# KiCad board RP2040_motor.kicad_pcb (continued)
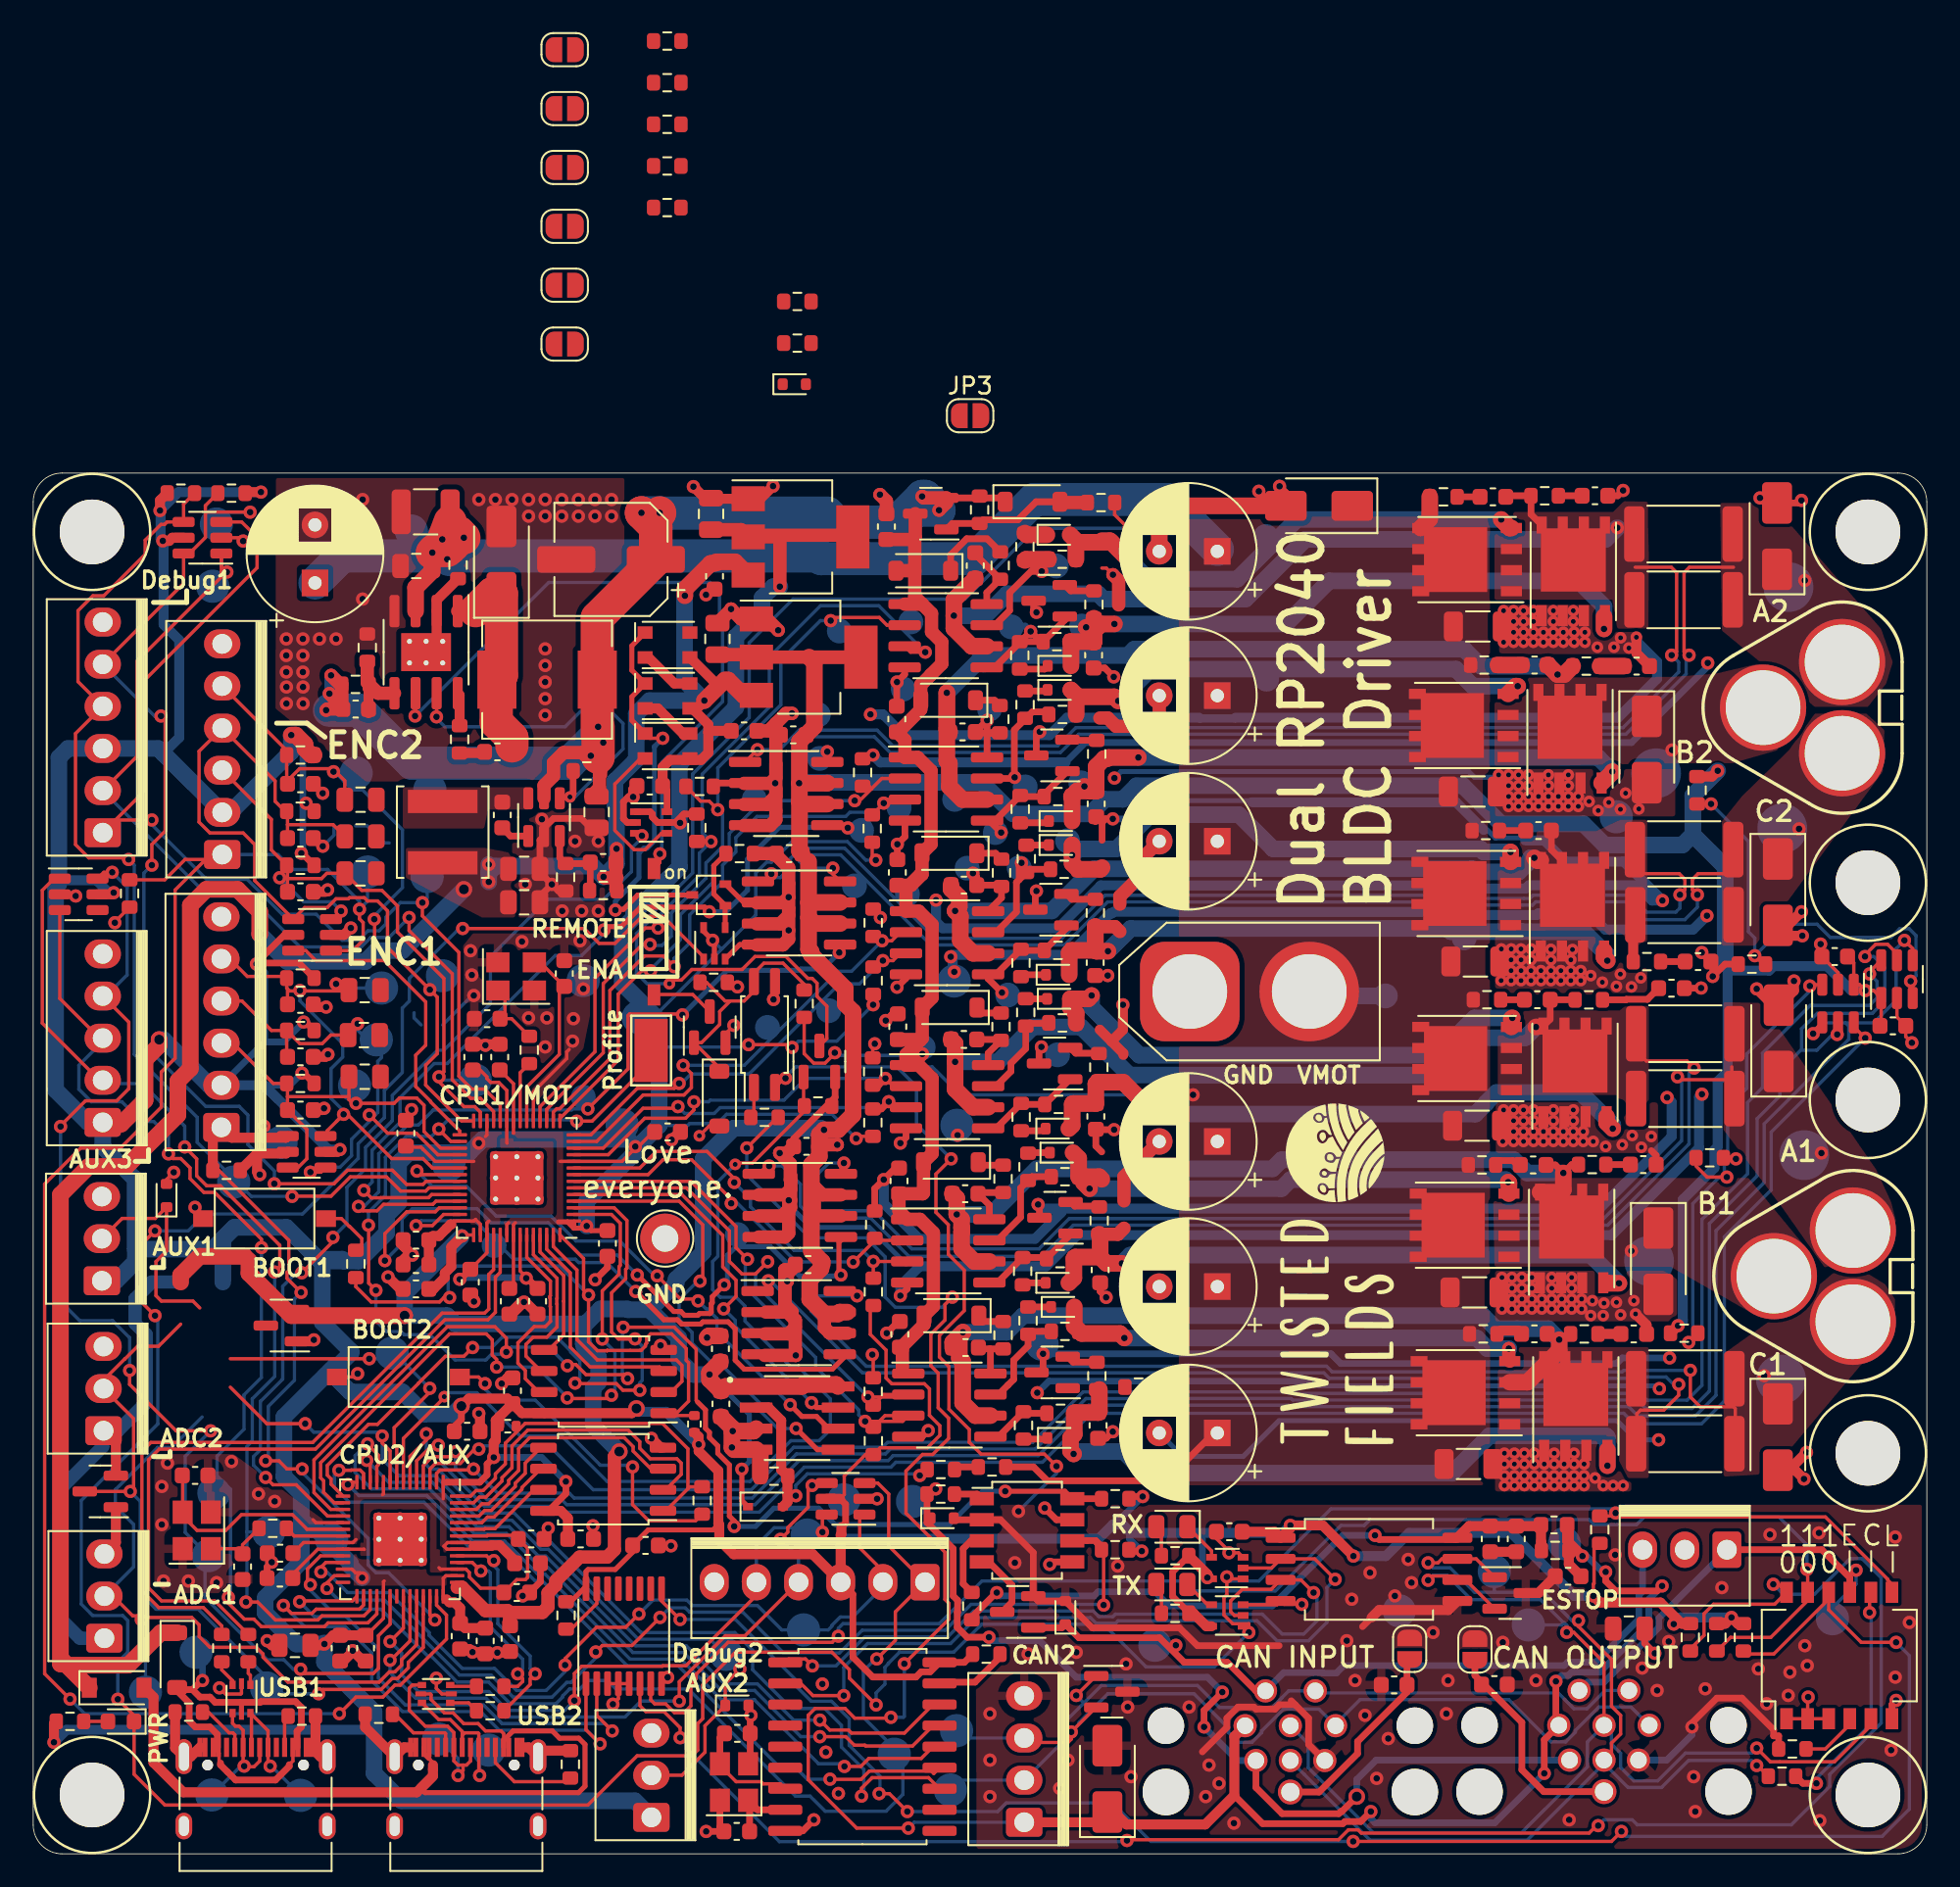
[diagram p0: board, top side]
## Placement (name value [footprint] x y rotation side) (continued)
R97  21.5k  [R_0603_1608Metric]  20.13 72.72 270 top
R98  10Ω  [R_0603_1608Metric]  25.7 67.2 270 top
R99  10.2R  [R_0603_1608Metric]  91.7 18.3 0 top
R100  120R  [R_0603_1608Metric]  44.07 44.41 180 top
R101  3mΩ  [R_2512_6332Metric]  99.54 49.45 0 top
R102  20k  [R_0603_1608Metric]  46.46 51.26 90 top
R103  100k  [R_0603_1608Metric]  41.01 52.55 0 top
R104  10k  [R_0603_1608Metric]  64.34 81.47 0 top
R105  3mΩ  [R_2512_6332Metric]  99.44 79.57 0 top
R106  100k  [R_0603_1608Metric]  33.36 65.29 180 top
R107  10k  [R_0603_1608Metric]  47.29 45.09 0 top
R108  1k  [R_0603_1608Metric]  38.21 109.3 0 top
R109  3mΩ  [R_2512_6332Metric]  99.47 60.55 0 top
R110  1k  [R_0603_1608Metric]  38.21 106.79 0 top
R111  1k  [R_0603_1608Metric]  38.21 104.28 0 top
R112  1k  [R_0603_1608Metric]  38.21 101.77 0 top
R113  3mΩ  [R_2512_6332Metric]  99.44 75.61 0 top
R114  3mΩ  [R_2512_6332Metric]  99.5 56.62 0 top
R115  3mΩ  [R_2512_6332Metric]  99.54 24.73 0 top
R116  3mΩ  [R_2512_6332Metric]  99.54 45.54 0 top
R117  1k  [R_0603_1608Metric]  38.21 99.26 0 top
R118  50k 0.1%  [R_0603_1608Metric]  46.04 93.59 0 top
R119  10k  [R_0603_1608Metric]  39.99 61.87 270 top
R120  10k  [R_0603_1608Metric]  40.16 64.36 180 top
R121  10k  [R_0603_1608Metric]  49.98 65.2 270 top
R122  10k  [R_0603_1608Metric]  50.55 61.82 90 top
R123  10k  [R_0603_1608Metric]  50.62 56.14 270 top
R124  10k  [R_0603_1608Metric]  50.62 52.65 90 top
R125  10k  [R_0603_1608Metric]  50.71 37.94 270 top
R126  10k  [R_0603_1608Metric]  50.63 33.89 90 top
R127  10k  [R_0603_1608Metric]  50.62 27.88 270 top
R128  10k  [R_0603_1608Metric]  50.63 24.9 90 top
R129  10k  [R_0603_1608Metric]  50.59 47.17 270 top
R130  10k  [R_0603_1608Metric]  50.6 44.09 90 top
R131  50k 0.1%  [R_0603_1608Metric]  46.04 91.09 0 top
R137  10k  [R_0603_1608Metric]  32.1 14.38 90 top
R138  10k  [R_0603_1608Metric]  42.57 60.31 0 top
R139  100k  [R_0603_1608Metric]  57.02 81.03 90 top
R140  1k  [R_0603_1608Metric]  66.6 28.15 0 top
SW1  SW_MEC_5G  [SW_TS_1101_C_W]  13.94 38.3 0 top
SW2  SW_MEC_5G  [SW_TS_1101_C_W]  22.01 28.75 0 top
SW3  CONFIG SWITCH  [SW_DIP_SPSTx06_Slide_KingTek_DSHP06TS_W7.62mm_P1.27mm]  108.82 11.96 90 top
SW4  SW_DIP_x01  [SW-SMD_DSHP01TSGER]  37.41 55.6 180 top
TH1  Thermistor 10k  [R_0603_1608Metric]  100.26 64.12 270 top
TH2  Thermistor 10k  [R_0603_1608Metric]  99.48 31.39 0 top
TP2  TestPoint  [TestPoint_Loop_D2.60mm_Drill1.6mm_Beaded]  38.07 37.1 270 top
TP4  TestPoint  [TestPoint_Pad_D3.0mm]  106.71 42.12 180 bottom
TP5  TestPoint  [TestPoint_Pad_D3.0mm]  97.36 35.75 180 bottom
TP6  TestPoint  [TestPoint_Pad_D3.0mm]  105.31 28.6 180 bottom
TP7  TestPoint  [TestPoint_Pad_D3.0mm]  97.79 65.15 180 bottom
TP8  TestPoint  [TestPoint_Pad_D3.0mm]  105.76 76.38 180 bottom
TP9  TestPoint  [TestPoint_Pad_D3.0mm]  105.39 61.83 180 bottom
TP10  TestPoint  [TestPoint_Pad_D2.0mm]  23.74 58.93 180 bottom
TP11  TestPoint  [TestPoint_Pad_D2.0mm]  10.81 76.43 180 bottom
TP12  TestPoint  [TestPoint_Pad_D1.5mm]  27.77 36.68 180 bottom
TP13  TestPoint  [TestPoint_Pad_D2.0mm]  12.08 40.5 180 bottom
TP14  TestPoint  [TestPoint_Pad_D2.0mm]  11.04 80.18 180 bottom
TP15  TestPoint  [TestPoint_Pad_D2.0mm]  55.66 43.93 180 bottom
TP16  TestPoint  [TestPoint_Pad_D2.0mm]  14.94 42.9 180 bottom
TP17  TestPoint  [TestPoint_Pad_D2.0mm]  35.49 43.95 180 bottom
TP18  TestPoint  [TestPoint_Pad_D2.0mm]  19.36 46.32 180 bottom
TP19  TestPoint  [TestPoint_Pad_D2.0mm]  20.67 49.08 180 bottom
TP20  TestPoint  [TestPoint_Pad_D2.0mm]  20.99 52.2 180 bottom
TP21  TestPoint  [TestPoint_Pad_D2.0mm]  55.49 52.63 180 bottom
TP22  TestPoint  [TestPoint_Keystone_5019_Minature]  37.24 48.44 90 top
TP23  TestPoint  [TestPoint_Pad_D2.0mm]  19.46 65.17 180 bottom
TP24  TestPoint  [TestPoint_Pad_D2.0mm]  24.66 52.94 180 bottom
TP25  TestPoint  [TestPoint_Pad_D2.0mm]  26.64 46.65 180 bottom
TP26  TestPoint  [TestPoint_Pad_D2.0mm]  36.46 50.42 180 bottom
TP27  TestPoint  [TestPoint_Pad_D2.0mm]  20.15 59.2 180 bottom
TP28  TestPoint  [TestPoint_Pad_D2.0mm]  51.88 6.01 180 bottom
TP29  TestPoint  [TestPoint_Pad_D2.0mm]  46.42 13.5 180 bottom
TP30  TestPoint  [TestPoint_Pad_D2.0mm]  25.04 41.55 180 bottom
TP31  TestPoint  [TestPoint_Pad_D2.0mm]  48.85 21.34 180 bottom
TP32  TestPoint  [TestPoint_Pad_D2.0mm]  46.64 19.22 180 bottom
TP33  TestPoint  [TestPoint_Pad_D2.0mm]  33.14 52.65 180 bottom
TP34  TestPoint  [TestPoint_Pad_D2.0mm]  17.99 18.93 180 bottom
TP35  TestPoint  [TestPoint_Pad_D2.0mm]  14.19 19.4 180 bottom
TP36  TestPoint  [TestPoint_Pad_D2.0mm]  10.89 21.75 180 bottom
TP37  TestPoint  [TestPoint_Pad_D2.0mm]  10.56 17.98 180 bottom
TP38  TestPoint  [TestPoint_Pad_D2.0mm]  95.39 62.53 180 bottom
TP39  TestPoint  [TestPoint_Pad_D2.0mm]  24.43 6.92 180 bottom
TP40  TestPoint  [TestPoint_Pad_D2.0mm]  9.81 12.15 180 bottom
TP41  TestPoint  [TestPoint_Pad_D2.0mm]  16.11 3.53 180 bottom
TP42  TestPoint  [TestPoint_Pad_D2.0mm]  10.76 3.55 180 bottom
TP43  TestPoint  [TestPoint_Pad_D2.0mm]  27.44 6.26 180 bottom
TP44  TestPoint  [TestPoint_Pad_D2.0mm]  92.26 18.7 180 bottom
TP45  TestPoint  [TestPoint_Pad_D2.0mm]  41.75 12.03 180 bottom
TP46  TestPoint  [TestPoint_Pad_D2.0mm]  21.63 30.19 180 bottom
TP47  TestPoint  [TestPoint_Pad_D2.0mm]  6.76 9.75 180 bottom
TP48  TestPoint  [TestPoint_Pad_D2.0mm]  14.06 10 180 bottom
TP49  TestPoint  [TestPoint_Pad_D2.0mm]  22.79 79.75 180 bottom
TP50  TestPoint  [TestPoint_Pad_D2.0mm]  55.26 3.85 180 bottom
TP51  TestPoint  [TestPoint_Pad_D2.0mm]  60.79 30.73 180 bottom
TP52  TestPoint  [TestPoint_Pad_D2.0mm]  23.9 64.16 180 bottom
TP53  TestPoint  [TestPoint_Pad_D2.0mm]  55.64 7.43 180 bottom
TP54  TestPoint  [TestPoint_Pad_D2.0mm]  82.31 14.65 180 bottom
TP55  TestPoint  [TestPoint_Pad_D1.5mm]  42.43 37.34 180 bottom
TP56  TestPoint  [TestPoint_Pad_D2.0mm]  90.09 13.8 180 bottom
TP57  TestPoint  [TestPoint_Pad_D1.5mm]  49.49 58.36 180 bottom
TP58  TestPoint  [TestPoint_Pad_D1.5mm]  52.68 57.88 180 bottom
TP59  TestPoint  [TestPoint_Pad_D2.0mm]  52.98 21.25 180 bottom
TP60  TestPoint  [TestPoint_Pad_D2.0mm]  88.04 17.03 180 bottom
TP61  TestPoint  [TestPoint_Pad_D2.0mm]  67.59 12.58 180 bottom
TP62  TestPoint  [TestPoint_Pad_D1.5mm]  56.27 59.43 180 bottom
TP63  TestPoint  [TestPoint_Pad_D2.0mm]  108.41 14.18 180 bottom
TP64  TestPoint  [TestPoint_Pad_D1.5mm]  62.32 61.08 180 bottom
TP65  TestPoint  [TestPoint_Pad_D1.5mm]  59.41 59.45 180 bottom
TP66  TestPoint  [TestPoint_Pad_D1.5mm]  86.22 55.23 180 bottom
TP67  TestPoint  [TestPoint_Pad_D1.5mm]  58.73 51.78 180 bottom
TP68  TestPoint  [TestPoint_Pad_D1.5mm]  53.63 48.62 180 bottom
TP69  TestPoint  [TestPoint_Pad_D1.5mm]  33.15 45.62 180 bottom
TP70  TestPoint  [TestPoint_Pad_D1.5mm]  55.52 63.58 180 bottom
TP71  TestPoint  [TestPoint_Pad_D1.5mm]  61.73 48.18 180 bottom
TP72  TestPoint  [TestPoint_Pad_D1.5mm]  81.47 51.73 180 bottom
TP73  TestPoint  [TestPoint_Pad_D1.5mm]  74.28 79.43 180 bottom
TP74  TestPoint  [TestPoint_Pad_D1.5mm]  74.32 70.83 180 bottom
TP75  TestPoint  [TestPoint_Pad_D1.5mm]  59.77 64.33 180 bottom
TP76  TestPoint  [TestPoint_Pad_D1.5mm]  57.98 61.58 180 bottom
TP77  TestPoint  [TestPoint_Pad_D1.5mm]  63.13 64.58 180 bottom
TP78  TestPoint  [TestPoint_Pad_D1.5mm]  57.63 69.03 180 bottom
TP79  TestPoint  [TestPoint_Pad_D1.5mm]  57.27 71.98 180 bottom
TP80  TestPoint  [TestPoint_Pad_D1.5mm]  61.65 77.65 180 bottom
TP81  TestPoint  [TestPoint_Pad_D1.5mm]  63.18 74.03 180 bottom
TP82  TestPoint  [TestPoint_Pad_D1.5mm]  47.3 68.68 180 bottom
TP83  TestPoint  [TestPoint_Pad_D1.5mm]  58.93 73.98 180 bottom
TP84  TestPoint  [TestPoint_Pad_D1.5mm]  47.38 66.05 180 bottom
TP85  TestPoint  [TestPoint_Pad_D1.5mm]  48.57 73.73 180 bottom
TP86  TestPoint  [TestPoint_Pad_D1.5mm]  52.88 74.28 180 bottom
TP87  TestPoint  [TestPoint_Pad_D1.5mm]  49.91 61.71 180 bottom
TP90  TestPoint  [TestPoint_Pad_D1.5mm]  47.93 50.84 180 bottom
TP91  TestPoint  [TestPoint_Pad_D1.5mm]  44.24 49.83 180 bottom
TP92  TestPoint  [TestPoint_Pad_D1.5mm]  52.18 63.07 180 bottom
TP93  TestPoint  [TestPoint_Pad_D1.5mm]  43.46 63.6 180 bottom
TP94  TestPoint  [TestPoint_Pad_D1.5mm]  52.43 70.23 180 bottom
U1  EG3113  [SOIC-8_3.9x4.9mm_P1.27mm]  55.21 27.06 0 top
U2  EG3113  [SOIC-8_3.9x4.9mm_P1.27mm]  55.06 54.93 0 top
U3  USBLC6-4SC6  [SOT-23-6]  48.95 21.41 180 top
U4  EG3113  [SOIC-8_3.9x4.9mm_P1.27mm]  55.14 36.35 0 top
U5  EG3113  [SOIC-8_3.9x4.9mm_P1.27mm]  55 64.2 0 top
U6  SN74LVC1G07QDCKTQ1  [SOT-353_SC-70-5]  71.95 14.37 180 top
U7  EG3113  [SOIC-8_3.9x4.9mm_P1.27mm]  55.07 45.65 0 top
U8  EG3113  [SOIC-8_3.9x4.9mm_P1.27mm]  54.99 73.44 0 top
U9  ADC081S021CISD/NOPB  [SOT-23-6]  112.3 52.74 90 top
U10  TXS0101DCKR  [SOT-363_SC-70-6]  37.24 62.18 0 top
U11  TLV1117LV33DCYR  [SOT-223-3_TabPin2]  46.73 72.15 0 top
U12  W25Q128JVSIQ  [SOIC-8_5.23x5.23mm_P1.27mm]  34.39 28.48 180 top
U13  W25Q128JVSIQ  [SOIC-8_5.23x5.23mm_P1.27mm]  34.35 22.58 180 top
U14  INA240A1D  [SOIC-8_3.9x4.9mm_P1.27mm]  46.13 32.03 0 top
U15  RP2040  [RP2040-QFN-56]  29.14 40.75 180 top
U16  ~  [SOP-4_4.4x2.6mm_P1.27mm]  44.07 49.4 90 top
U17  isolator  [SOIC-8_7.5x5.85mm_P1.27mm]  80.49 17.15 0 top
U18  MCP2515-xSO  [SOIC-18W_7.5x11.6mm_P1.27mm]  49.96 6.46 0 top
U19  RP2040  [RP2040-QFN-56]  22.11 18.97 270 top
U20  INA240A1D  [SOIC-8_3.9x4.9mm_P1.27mm]  46.2 39.09 0 top
U21  INA240A1D  [SOIC-8_3.9x4.9mm_P1.27mm]  45.38 63.93 0 top
U22  ADS7822U  [SOIC127P599X175-8N]  46.03 26.27 0 top
U23  SN74LVC1G07QDCKTQ1  [SOT-353_SC-70-5]  71.95 17.23 180 top
U24  MT2492  [SOT-23-6]  30.78 62.5 90 top
U25  SN74LVC1G07QDCKTQ1  [SOT-353_SC-70-5]  41.04 54.9 90 top
U26  ADC081S021CISD/NOPB  [SOT-23-6]  108.75 51.27 270 top
U27  USBLC6-2P6  [SOT-666]  12.55 9.34 270 top
U28  USBLC6-2P6  [SOT-666]  24.27 9.64 180 top
U29  USBLC6-4SC6  [SOT-23-6]  16.48 42.33 0 top
U30  USBLC6-4SC6  [SOT-23-6]  16.8 55.41 180 top
U31  USBLC6-4SC6  [SOT-23-6]  2.74 57.85 0 top
U32  TLV1117LV33DCYR  [SOT-223-3_TabPin2]  46.24 79.4 0 top
U33  TX4139  [SOIC-8-1EP_3.9x4.9mm_P1.27mm_EP2.29x3mm_ThermalVias]  23.68 72.45 270 top
U34  LTV-208  [SSOP-8_3.91x5.84x3.18mm_P1.27mm]  59.88 19.51 0 top
U35  PCA9557PW  [TSSOP-16_4.4x5mm_P0.65mm]  35.59 13.12 90 top
U43  USBLC6-4SC6  [SOT-23-6]  10.2 79.35 180 top
U44  INA240A1D  [SOIC-8_3.9x4.9mm_P1.27mm]  46.15 56.73 0 top
Y1  12MHz  [Crystal_SMD_3225-4Pin_3.2x2.5mm]  29.1 52.9 0 top
Y2  12MHz  [Crystal_SMD_3225-4Pin_3.2x2.5mm]  9.86 19.5 90 top
Y3  16MHz  [Crystal_SMD_3225-4Pin_3.2x2.5mm]  42.23 4.33 90 top

## Library data of the parts
AH1 AH2 AL1 AL2 BH1 BH2 BL1 BL2 CH1 CH2 CL1 CL2 = -: Description: N-MOSFET transistor, source/gate/drain; LCSC: C454269
C1 C8 = -: Description: Unpolarized capacitor; LCSC: C162274; Voltage: 35V
C2 C10 C11 C14 C15 C81 = -: Description: Unpolarized capacitor; LCSC: C162274
C3-C7 C26 = -: Description: Polarized capacitor; LCSC: C2898915
C9 C12 C16 C17 C22 C25 C55 C82 C93 C99-C109 = -: Description: Unpolarized capacitor
C13 C65 C70 C71 C84 C85 = -: Description: Unpolarized capacitor; LCSC: C194427
C18 C20 C32 C34 C35 C53 C54 C121-C124 = -: Description: Unpolarized capacitor; LCSC: C15849
C19 C27 C28 C42 = -: Description: Unpolarized capacitor; LCSC: C1648
C21 C30 C31 C33 C36-C41 C43-C52 C56 C59 C66 C67 C72 C74 C114 C119 = -: Description: Unpolarized capacitor; LCSC: C14663
C23 C60-C64 C113 = -: Description: Unpolarized capacitor; LCSC: C1671
C24 C29 C86 C110 = -: Description: Unpolarized capacitor; LCSC: C15850
C57 C58 = -: Description: Unpolarized capacitor; LCSC: C1647
C68 C76-C80 = -: Description: Unpolarized capacitor; LCSC: C650969
C87-C92 = -: Description: Unpolarized capacitor; LCSC: C77069
C94 C96 = -: Description: Unpolarized capacitor; LCSC: C602037
C95 = -: Description: Unpolarized capacitor; LCSC: C59461
C97 = -: Description: Unpolarized capacitor; LCSC: C1653
C98 = -: Description: Unpolarized capacitor; LCSC: C779971
C111 = -: Description: Unpolarized capacitor; LCSC: C342614
C112 = -: Description: Unpolarized capacitor; LCSC: C28233
C115 = -: Description: Polarized capacitor; LCSC: C340768
C120 = -: Description: Polarized capacitor; LCSC: C2887234
D1 D40 = -: Description: Dual Line CAN Bus Protector, 24Vrwm; LCSC: C5158050
D2 D7 D10 D11 D19 D21 = -: Description: Diode; LCSC: C511885
D3 = -: Description: 200W unidirectional Transil Transient Voltage Suppressor, 54Vrwm, SMF; LCSC: C78401; MPN: SMAJ5.0A/TR13
D4 = -: Description: 200W unidirectional Transil Transient Voltage Suppressor, 54Vrwm, SMF; LCSC: C726760
D5 D6 D12-D17 D20 D22-D24 D54 = -: Description: Diode; LCSC: C3012732
D8 D9 D18 D25 D26 D42 = -: Description: 200W unidirectional Transil Transient Voltage Suppressor, 54Vrwm, SMF; LCSC: C726760; Purpose: ESD Protection
D27 = -: Description: 40V 3A Schottky Barrier Rectifier Diode, DO-201AD; LCSC: C15874
D28-D30 D32 = -: Description: 200W unidirectional Transil Transient Voltage Suppressor, 54Vrwm, SMF; LCSC: C2841409; MPN: ESD5Z3V3
D31 = -: Description: Diode; LCSC: C2128
D33-D35 = -: Description: RGB LED with integrated controller; LCSC: C2890364; Field5: 1
D36 D44 = -: Description: Vr 30V, If 200mA, Dual schottky barrier diode, in series, SOT-323; LCSC: C916425
D37 D43 = -: Description: 40V 3A Schottky Barrier Rectifier Diode, DO-201AD; LCSC: C8598
D38 = -: Description: Light emitting diode; LCSC: C2297
D39 = -: Description: Light emitting diode; LCSC: C84261
D41 = -: Description: Light emitting diode; Digikey: 160-1405-1-ND; LCSC: C434419; MPN: LTST-C150KRKT
D45 = -: Description: Zener diode; LCSC: C173431
D46 = -: Description: Zener diode; LCSC: C266568
FB2 = -: Description: Ferrite bead; LCSC: C82848
H1-H4 H6-H8 = -: Description: Mounting Hole without connection
J1 J6 = -: Description: USB 2.0-only Type-C Receptacle connector; LCSC: C2835315
J2 J17 = -: Description: Generic connector, single row, 01x08, script generated (kicad-library-utils/schlib/autogen/connector/); MPN: M12A-08PFFR-SF7003
J3-J5 J12 = -: Description: Generic connector, single row, 01x06, script generated (kicad-library-utils/schlib/autogen/connector/); LCSC: C2982035
J8-J10 J13 J14 = -: Description: Generic connector, single row, 01x03, script generated (kicad-library-utils/schlib/autogen/connector/); LCSC: C509148
J11 = -: Description: Generic connector, single row, 01x04, script generated (kicad-library-utils/schlib/autogen/connector/); LCSC: C402777
J15 = -: Description: Generic connector, single row, 01x05, script generated (kicad-library-utils/schlib/autogen/connector/); LCSC: C27544
J19 J20 = -: Description: Generic connector, single row, 01x03, script generated (kicad-library-utils/schlib/autogen/connector/); LCSC: C99176
J21 = -: Description: Generic connector, single row, 01x02, script generated (kicad-library-utils/schlib/autogen/connector/); LCSC: C98733
JP1-JP9 = -: Description: Solder Jumper, 2-pole, open
L2 = -: Description: Inductor; LCSC: C84608
L3 = -: Description: Inductor; Current: 2.5A; LCSC: C5189962
Q1-Q6 = -: Description: PNP transistor, base/emitter/collector; LCSC: C686646
Q7 Q8 = -: Description: N-MOSFET transistor, gate/source/drain; LCSC: C400505
Q9 = -: Description: 30V Vds, 5.7A Id, N-Channel MOSFET, SOT-23; LCSC: C347475
Q10 = -: Description: -4.0A Id, -30V Vds, P-Channel MOSFET, SOT-23; LCSC: C306862
Q11 = -: Description: 30V Vds, 5.7A Id, N-Channel MOSFET, SOT-23; LCSC: C383164
R1 R3 R6-R8 R18-R20 R22 R26 R30 R31 R34 R35 R37-R39 R82 = -: LCSC: C21189
R2 R64 R118 R131 = -: LCSC: C304067
R4 R5 R14 R42 R51 R86-R94 = -: Description: Resistor
R9 R48 R75 R100 = -: LCSC: C22787
R10 = -: LCSC: C23193
R11-R13 R17 R21 R45 R53-R58 R72 R74 R79 R104 R107 R119-R130 R137 R138 = -: LCSC: C25804
R15 = -: Description: Resistor; LCSC: C100721
R16 = -: Description: Resistor; LCSC: C22809
R23-R25 R27-R29 R32 R33 R36 R59 R69 R73 R78 R80 R81 R83-R85 R99 = -: LCSC: C2933129
R40 R43 R44 R46 R49 R62 R63 R76 = -: Description: Resistor; LCSC: C23186
R41 R47 R52 R66 = -: Description: Resistor; LCSC: C22764
R50 R101 R105 R109 R113-R116 = -: LCSC: C2688862
R60 R61 R67 R70 R71 = -: Description: Resistor; LCSC: C25190
R65 = -: LCSC: C122969
R68 = -: Description: Resistor; LCSC: C25196
R77 = -: LCSC: C23255
R95 = -: Description: Resistor; LCSC: C126169
R96 = -: Description: Resistor; LCSC: C335091
R97 = -: Description: Resistor; LCSC: C705916
R98 = -: Description: Resistor; LCSC: C22859
R102 = -: LCSC: C4184
R103 R106 R139 = -: LCSC: C14675
R108 R110-R112 R117 R140 = -: LCSC: C21190
SW1 SW2 = -: Description: Push button switch, generic, two pins; LCSC: C318938
SW3 = -: Description: 6x DIP Switch, Single Pole Single Throw (SPST) switch, small symbol; LCSC: C40737
SW4 = -: Description: 1x DIP Switch, Single Pole Single Throw (SPST) switch, small symbol; LCSC: C126848
TH1 TH2 = -: Description: Temperature dependent resistor, negative temperature coefficient; LCSC: C13564
TP2 = -: Description: test point; LCSC: C5199814
TP4-TP21 TP23-TP87 TP90-TP94 = -: Description: test point
TP22 = -: Description: test point; LCSC: C5199800
U1 U2 U4 U5 U7 U8 = -: Description: Half-Bridge Driver, 600V, 290/600mA, PDIP-8/SOIC-8; LCSC: C480666
U3 U29-U31 U43 = -: Description: Very low capacitance ESD protection diode, 4 data-line, SOT-23-6; LCSC: C558419
U6 U23 U25 = -: Digikey: TC7SH34FULJ(CTCT-ND; LCSC: C171458; MPN: TC7SH34FU,LJ(CT
U9 U26 = -: LCSC: C130227
U10 = -: LCSC: C132031
U11 U32 = -: Description: 1A Low drop-out regulator, Fixed Output 3.3V, SOT-223; LCSC: C15578
U12 U13 = -: Description: 128Mb Serial Flash Memory, Standard/Dual/Quad SPI, SOIC-8; LCSC: C113767
U14 U20 U21 U44 = -: Description: High- and Low-Side, Bidirectional, Zero-Drift, Current-Sense Amplifier With Enhanced PWM Rejection, 20V/V, SOIC-8; LCSC: C1346458
U15 U19 = -: LCSC: C2040
U16 = -: Description: Optocoupler, Phototransistor Output, 5300 VRMS, VCEO 70V, CTR% 40-80, -55 to +110 degree Celsius, UL, BSI, FIMKO, cUL, 8mm clearence SMD PDIP-4; LCSC: C32565
U17 = -: Description: Isolated CAN Transceiver, SOP-8; LCSC: C528763
U18 = -: Description: Stand-Alone CAN Controller with SPI Interface, SOIC-18; LCSC: C12368
U22 = -: LCSC: C16324
U24 = -: Description: 1.5A, Adjustable Step-Down Voltage Regulator, 1.4MHz Frequency, Vin=4.5..18V, Vout=0.81..15V, SOT-23-6; LCSC: C89358
U27 U28 = -: Description: Very low capacitance ESD protection diode, 2 data-line, SOT-666; LCSC: C2827693
U33 = -: Description: 2A, 200kHz SuperSwitcher Buck Regulator, 4-30V Input Voltage, Adjustable Output Voltage, SO-8; LCSC: C329266
U34 = -: Description: DC Optocoupler, Vce 35V, CTR 50%, SMDIP-8; LCSC: C133121
U35 = -: Description: 8-bit I2C-bus and SMBus I/O port with reset, TSSOP-16; LCSC: C141380
Y1 Y2 = -: Description: Four pin crystal, GND on pins 2 and 4; LCSC: C9002
Y3 = -: Description: Four pin crystal, GND on pins 2 and 4; LCSC: C362342

## Footprints (pads in the part's own frame, mm; a bottom-side part is the same pattern mirrored in y, then rotated)
AMASS_XT60-F_1x02_P7.20mm_Vertical
  rrect 6x6 hole 4.5: 1(0,0)
  round 6 hole 4.5: 2(7.2,0)
BOOMELE-2510-3A_1x03_P2.54mm_Vertical
  rrect 1.74x2.19 hole 1.19: 1(0,-0.34)
  oval 1.74x2.19 hole 1.19: 2(2.54,-0.34) 3(5.08,-0.34)
BOOMELE-2510-5A _1x05_P2.54mm_Vertical
  rrect 1.74x2.19 hole 1.19: 1(0,-0.34)
  oval 1.74x2.19 hole 1.19: 2(2.54,-0.34) 3(5.08,-0.34) 4(7.62,-0.34) 5(10.16,-0.34)
C_0603_1608Metric
  rrect 0.9x0.95 smd: 1(-0.775,0) 2(0.775,0)
C_0805_2012Metric
  rrect 0.975x1.4 smd: 1(-0.938,0) 2(0.938,0)
C_0805_2012Metric#2
  rrect 1x1.45 smd: 1(-0.95,0) 2(0.95,0)
C_1206_3216Metric
  rrect 1.15x1.8 smd: 1(-1.475,0) 2(1.475,0)
C_1210_3225Metric
  rrect 1.15x2.7 smd: 1(-1.475,0) 2(1.475,0)
Ckmtw-W-2510S06P_1x06_P2.54mm_Vertical
  rrect 1.74x2.19 hole 1.19: 1(0,-0.34)
  oval 1.74x2.19 hole 1.19: 2(2.54,-0.34) 3(5.08,-0.34) 4(7.62,-0.34) 5(10.16,-0.34) 6(12.7,-0.34)
CP_Elec_6.3x7.7
  rrect 3.5x1.6 smd: 1(-2.7,0) 2(2.7,0)
CP_Radial_D8.0mm_P3.50mm
  rect 1.6x1.6 hole 0.8: 1(0,0)
  round 1.6 hole 0.8: 2(3.5,0)
Crystal_SMD_3225-4Pin_3.2x2.5mm
  rect 1.4x1.2 smd: 1(-1.1,-0.85) 2(1.1,-0.85) 3(1.1,0.85) 4(-1.1,0.85)
D_SMA
  rrect 2.5x1.8 smd: 1(-2,0) 2(2,0)
D_SOD-123
  rect 0.9x1.2 smd: 1(-1.65,0) 2(1.65,0)
D_SOD-123#2
  rrect 0.9x1.2 smd: 1(-1.65,0) 2(1.65,0)
D_SOD-323
  rect 0.6x0.45 smd: 1(-1.05,0) 2(1.05,0)
D_SOD-523
  rrect 0.6x0.7 smd: 1(-0.7,0) 2(0.7,0)
L_0603_1608Metric
  rrect 0.875x0.95 smd: 1(-0.787,0) 2(0.787,0)
L_Chilisin_BMRB00060612
  rect 2.35x3.5 smd: 1(-3.025,0) 2(3.025,0)
L_Sunlord_SWPA5040S
  rect 1.4x4.2 smd: 1(-1.85,0) 2(1.85,0)
LED_0603_1608Metric
  rrect 0.875x0.95 smd: 1(-0.787,0) 2(0.787,0)
LED_0805_2012Metric
  rrect 0.975x1.4 smd: 1(-0.938,0) 2(0.938,0)
LED_WS2812_3528_3.5x2.8mm_P1.5mm
  rect 0.9x0.75 smd: 1(-1.35,0.75) 2(-1.35,-0.75) 3(1.35,-0.75) 4(1.35,0.75)
M12A-08PFFR
  round 2.2 hole 2.2 unplated: (-7.5,9.8) (7.5,9.8)
  round 2.8 hole 2.8 unplated: (-7.5,5.8) (7.5,5.8)
  round 1.4 hole 1: 1(-1.5,11.9) 2(1.5,11.9) 3(2.725,9.8) 4(2.075,7.7) 5(0,7.7) 6(-2.075,7.7) 7(-2.725,9.8) 8(0,9.8)
  round 1.5 hole 1.1: 9(0,5.8)
MountingHole_3.9mm_Plastite_#6
  round 3.9 hole 3.9 unplated: (0,0)
MT60-F.G.Y
  round 5.2 hole 4.5: 1(0,2.75) 2(0,-2.75) 3(4.76,0)
PINREX-744-81-04TW00 _1x04_P2.54mm_Vertical
  rrect 1.74x2.19 hole 1.19: 1(0,-0.34)
  oval 1.74x2.19 hole 1.19: 2(2.54,-0.34) 3(5.08,-0.34) 4(7.62,-0.34)
PowerPAK_SO-8_123
  rect 1.27x0.61 smd: 1(-2.67,1.905) 1(-2.67,0.635) 1(-2.67,-0.635) 2(-2.67,-1.905)
  rect 3.81x3.91 smd: 3(0.69,0)
  rect 1.02x0.61 smd: 3(2.795,1.905) 3(2.795,0.635) 3(2.795,-0.635) 3(2.795,-1.905)
R_0402_1005Metric
  rrect 0.54x0.64 smd: 1(-0.51,0) 2(0.51,0)
R_0603_1608Metric
  rrect 0.8x0.95 smd: 1(-0.825,0) 2(0.825,0)
R_2512_6332Metric
  rrect 1.225x3.35 smd: 1(-2.962,0) 2(2.962,0)
RP2040-QFN-56
  rrect 1.084x1.084 smd: (-0.637,0.637) (-0.637,-0.637) (0.637,0.637) (0.637,-0.637)
  rrect 0.875x0.2 smd: 1(-3.438,2.6) 2(-3.438,2.2) 3(-3.438,1.8) 4(-3.438,1.4) 5(-3.438,1) 6(-3.438,0.6) 7(-3.438,0.2) 8(-3.438,-0.2) 9(-3.438,-0.6) 10(-3.438,-1) 11(-3.438,-1.4) 12(-3.438,-1.8) 13(-3.438,-2.2) 14(-3.438,-2.6) 29(3.438,-2.6) 30(3.438,-2.2) 31(3.438,-1.8) 32(3.438,-1.4) 33(3.438,-1) 34(3.438,-0.6) 35(3.438,-0.2) 36(3.438,0.2) 37(3.438,0.6) 38(3.438,1) 39(3.438,1.4) 40(3.438,1.8) 41(3.438,2.2) 42(3.438,2.6)
  rrect 0.2x0.875 smd: 15(-2.6,-3.438) 16(-2.2,-3.438) 17(-1.8,-3.438) 18(-1.4,-3.438) 19(-1,-3.438) 20(-0.6,-3.438) 21(-0.2,-3.438) 22(0.2,-3.438) 23(0.6,-3.438) 24(1,-3.438) 25(1.4,-3.438) 26(1.8,-3.438) 27(2.2,-3.438) 28(2.6,-3.438) 43(2.6,3.438) 44(2.2,3.438) 45(1.8,3.438) 46(1.4,3.438) 47(1,3.438) 48(0.6,3.438) 49(0.2,3.438) 50(-0.2,3.438) 51(-0.6,3.438) 52(-1,3.438) 53(-1.4,3.438) 54(-1.8,3.438) 55(-2.2,3.438) 56(-2.6,3.438)
  round 0.7 hole 0.3: 57(-1.275,1.275) 57(-1.275,0) 57(-1.275,-1.275) 57(0,1.275) 57(0,0) 57(0,-1.275) 57(1.275,1.275) 57(1.275,0) 57(1.275,-1.275)
  rrect 3.2x3.2 smd: 57(0,0)
SOIC127P599X175-8N
  rrect 1.97x0.6 smd: 1(-2.47,1.905) 2(-2.47,0.635) 3(-2.47,-0.635) 4(-2.47,-1.905) 5(2.47,-1.905) 6(2.47,-0.635) 7(2.47,0.635) 8(2.47,1.905)
SOIC-8-1EP_3.9x4.9mm_P1.27mm_EP2.29x3mm_ThermalVias
  rrect 0.96x1.25 smd: (-0.57,0.75) (-0.57,-0.75) (0.57,0.75) (0.57,-0.75)
  rrect 1.95x0.6 smd: 1(-2.475,1.905) 2(-2.475,0.635) 3(-2.475,-0.635) 4(-2.475,-1.905) 5(2.475,-1.905) 6(2.475,-0.635) 7(2.475,0.635) 8(2.475,1.905)
  round 0.7 hole 0.3: 9(-0.65,1) 9(-0.65,0) 9(-0.65,-1) 9(0.65,1) 9(0.65,0) 9(0.65,-1)
  rect 1.8x2.5 smd far side: 9(0,0)
  rect 2.29x3 smd: 9(0,0)
SOIC-8_3.9x4.9mm_P1.27mm
  rrect 1.95x0.6 smd: 1(-2.475,1.905) 2(-2.475,0.635) 3(-2.475,-0.635) 4(-2.475,-1.905) 5(2.475,-1.905) 6(2.475,-0.635) 7(2.475,0.635) 8(2.475,1.905)
SOIC-8_5.23x5.23mm_P1.27mm
  rrect 1.6x0.6 smd: 1(-3.6,1.905) 2(-3.6,0.635) 3(-3.6,-0.635) 4(-3.6,-1.905) 5(3.6,-1.905) 6(3.6,-0.635) 7(3.6,0.635) 8(3.6,1.905)
SOIC-8_7.5x5.85mm_P1.27mm
  rrect 1.8x0.6 smd: 1(-5.325,1.905) 2(-5.325,0.635) 3(-5.325,-0.635) 4(-5.325,-1.905) 5(5.325,-1.905) 6(5.325,-0.635) 7(5.325,0.635) 8(5.325,1.905)
SOIC-18W_7.5x11.6mm_P1.27mm
  rrect 2.05x0.6 smd: 1(-4.65,5.08) 2(-4.65,3.81) 3(-4.65,2.54) 4(-4.65,1.27) 5(-4.65,0) 6(-4.65,-1.27) 7(-4.65,-2.54) 8(-4.65,-3.81) 9(-4.65,-5.08) 10(4.65,-5.08) 11(4.65,-3.81) 12(4.65,-2.54) 13(4.65,-1.27) 14(4.65,0) 15(4.65,1.27) 16(4.65,2.54) 17(4.65,3.81) 18(4.65,5.08)
SolderJumper-2_P1.3mm_Open_RoundedPad1.0x1.5mm
  custom 1x1.5 smd: 1(-0.65,0) 2(0.65,0)
SOP-4_4.4x2.6mm_P1.27mm
  rrect 1.625x0.6 smd: 1(-3.188,0.635) 2(-3.188,-0.635) 3(3.188,-0.635) 4(3.188,0.635)
SOT-23
  rrect 1.475x0.6 smd: 1(-0.938,0.95) 2(-0.938,-0.95) 3(0.938,0)
SOT-23-6
  rrect 1.325x0.6 smd: 1(-1.137,0.95) 2(-1.137,0) 3(-1.137,-0.95) 4(1.137,-0.95) 5(1.137,0) 6(1.137,0.95)
SOT-223-3_TabPin2
  rect 2x1.5 smd: 1(-3.15,2.3) 2(-3.15,0) 3(-3.15,-2.3)
  rect 2x3.8 smd: 2(3.15,0)
SOT-323_SC-70
  rect 0.7x0.45 smd: 1(-1,0.65) 2(-1,-0.65) 3(1,0)
SOT-353_SC-70-5
  rect 0.65x0.4 smd: 1(-0.95,0.65) 2(-0.95,0) 3(-0.95,-0.65) 4(0.95,-0.65) 5(0.95,0.65)
SOT-363_SC-70-6
  rect 0.65x0.4 smd: 1(-0.95,0.65) 2(-0.95,0) 3(-0.95,-0.65) 4(0.95,-0.65) 5(0.95,0) 6(0.95,0.65)
SOT-666
  rect 0.5x0.375 smd: 1(-0.85,0.537) 3(-0.85,-0.537) 4(0.85,-0.537) 6(0.85,0.537)
  rect 0.65x0.3 smd: 2(-0.925,0) 5(0.925,0)
SSOP-8_3.91x5.84x3.18mm_P1.27mm
  rect 1.45x0.8 smd: 1(-2.725,1.905) 2(-2.725,0.635) 3(-2.725,-0.635) 4(-2.725,-1.905) 5(2.725,-1.905) 6(2.725,-0.635) 7(2.725,0.635) 8(2.725,1.905)
SW-SMD_DSHP01TSGER
  rect 0.76x1.27 smd: 1(0,3.81) 2(0,-3.81)
SW_DIP_SPSTx06_Slide_KingTek_DSHP06TS_W7.62mm_P1.27mm
  rect 1.27x0.76 smd: 1(-3.81,3.175) 2(-3.81,1.905) 3(-3.81,0.635) 4(-3.81,-0.635) 5(-3.81,-1.905) 6(-3.81,-3.175) 7(3.81,-3.175) 8(3.81,-1.905) 9(3.81,-0.635) 10(3.81,0.635) 11(3.81,1.905) 12(3.81,3.175)
SW_TS_1101_C_W
  rect 1.2x1 smd: 1(-3.7,0) 2(3.7,0)
TestPoint_Keystone_5019_Minature
  rect 3.8x2 smd: 1(0,0)
TestPoint_Loop_D2.60mm_Drill1.6mm_Beaded
  round 3 hole 1.6: 1(0,0)
TestPoint_Pad_D1.5mm
  round 1.5 smd: 1(0,0)
TestPoint_Pad_D2.0mm
  round 2 smd: 1(0,0)
TestPoint_Pad_D3.0mm
  round 3 smd: 1(0,0)
TSSOP-16_4.4x5mm_P0.65mm
  rrect 1.475x0.4 smd: 1(-2.862,2.275) 2(-2.862,1.625) 3(-2.862,0.975) 4(-2.862,0.325) 5(-2.862,-0.325) 6(-2.862,-0.975) 7(-2.862,-1.625) 8(-2.862,-2.275) 9(2.862,-2.275) 10(2.862,-1.625) 11(2.862,-0.975) 12(2.862,-0.325) 13(2.862,0.325) 14(2.862,0.975) 15(2.862,1.625) 16(2.862,2.275)
USB_C_Receptacle_XKB_U262-16XN-4BVC11
  round 0.65 hole 0.65 unplated: (-2.89,2.605) (2.89,2.605)
  rect 0.3x1.15 smd: A1(-3.35,3.67) A4(-2.55,3.67) A5(-1.25,3.67) A6(-0.25,3.67) A7(0.25,3.67) A8(1.25,3.67) A9(2.55,3.67) A12(3.35,3.67) B1(3.05,3.67) B4(2.25,3.67) B5(1.75,3.67) B6(0.75,3.67) B7(-0.75,3.67) B8(-1.75,3.67) B9(-2.25,3.67) B12(-3.05,3.67)
  oval 1x2.1 hole 0.6x1.7: S1(-4.32,3.105) S1(4.32,3.105)
  oval 1x1.6 hole 0.6x1.2: S1(-4.32,-1.075) S1(4.32,-1.075)

## Nets
12V_SWITCHED: C2.2 C10.2 C11.2 C14.2 C15.2 C81.2 D2.2 D7.2 D10.2 D11.2 D19.2 D21.2 D54.1 JP3.1 Q10.3 TP68.1 U1.1 U2.1 U4.1 U5.1 U7.1 U8.1
+1V1: C30.1 C31.1 C32.1 U15.23 U15.45 U15.50
+3.3VA: C18.2 C20.2 C22.1 C24.1 C35.2 C41.1 C52.1 C59.1 C66.1 C72.1 C74.1 D31.1 D36.2 D44.2 J9.1 J13.1 TH1.1 TH2.1 TP70.1 U9.1 U11.2 U14.6 U14.7 U15.43 U19.43 U20.6 U20.7 U21.6 U21.7 U22.1 U22.8 U26.1 U44.6 U44.7
+3V3: C21.1 C29.1 C33.1 C34.1 C36.1 C37.1 C38.1 C39.1 C40.1 C43.1 C46.1 C47.1 C48.1 C49.1 C50.1 C51.1 C54.1 C56.2 C67.1 C110.1 J3.2 J4.2 J5.3 J10.1 J12.3 J14.1 J15.1 R11.1 R12.1 R13.1 R17.1 R42.1 R49.1 R51.1 R53.1 R54.1 R55.1 R56.1 R57.1 R58.1 R62.1 R63.2 R67.1 R68.1 R72.2 R76.1 R77.1 R119.1 R122.1 R124.1 R126.1 R128.1 R130.1 R137.2 TP17.1 TP26.1 TP30.1 TP34.1 U3.5 U6.5 U10.1 U10.5 U12.8 U13.8 U15.1 U15.10 U15.22 U15.26 U15.33 U15.42 U15.44 U15.48 U15.49 U17.1 U18.18 U19.1 U19.10 U19.22 U19.26 U19.33 U19.42 U19.44 U19.48 U19.49 U23.5 U25.2 U25.5 U29.5 U30.5 U31.5 U32.2 U35.16 U43.5
+5V: C95.2 C96.2 C97.1 C119.1 C121.1 C122.1 D33.3 D34.3 D35.3 D37.1 D43.1 L2.2 R15.2 U10.6 U11.3 U32.3
+5V_ISO: C8.2 D3.1 FB2.2 J2.7 J11.1 J17.7 R99.2 R100.1 TP44.1
+5V_ISO_FILT: C1.2 C55.2 FB2.1 R48.1 R99.1 U17.8
+12V: C94.1 C113.1 C115.1 D46.1 JP3.2 L3.2 Q10.2 R96.2 R106.1 R139.2 TP52.1 U24.5
/power_and_cpu/1V1_2: C44.1 C45.1 C53.1 U19.23 U19.45 U19.50
/power_and_cpu/12V_POK: R106.2 U24.4 U33.7
GND: AL1.1 AL2.1 BL1.1 BL2.1 C2.1 C3.2 C4.2 C5.2 C6.2 C7.2 C9.1 C10.1 C11.1 C12.1 C14.1 C15.1 C16.1 C17.1 C18.1 C19.2 C20.1 C21.2 C22.2 C23.1 C24.2 C25.1 C26.2 C27.2 C28.2 C29.2 C30.2 C31.2 C32.2 C33.2 C34.2 C35.1 C36.2 C37.2 C38.2 C39.2 C40.2 C41.2 C42.2 C43.2 C44.2 C45.2 C46.2 C47.2 C48.2 C49.2 C50.2 C51.2 C52.2 C53.2 C54.2 C56.1 C57.2 C58.2 C59.2 C60.1 C61.1 C62.1 C63.1 C64.1 C66.2 C67.2 C68.2 C72.2 C74.2 C76.2 C77.2 C78.2 C79.2 C80.2 C81.1 C82.1 C86.2 C94.2 C95.1 C96.1 C102.2 C104.2 C105.2 C107.2 C108.2 C109.2 C110.2 C111.2 C112.2 C115.2 C119.2 C120.2 C121.2 C122.2 CL1.1 CL2.1 D4.2 D8.2 D9.2 D18.2 D25.2 D26.2 D27.2 D29.2 D30.2 D36.1 D42.2 D44.1 D45.2 J1.A1 J1.A12 J1.B1 J1.B12 J1.S1 J3.6 J4.6 J5.6 J6.A1 J6.A12 J6.B1 J6.B12 J6.S1 J9.3 J10.3 J12.6 J13.3 J14.3 J15.5 J21.1 JP1.1 JP2.1 JP4.1 JP5.1 JP8.1 JP9.1 Q1.3 Q2.3 Q3.3 Q4.3 Q5.3 Q6.3 Q8.2 Q9.2 Q11.2 R16.2 R21.2 R40.1 R43.1 R44.2 R45.2 R46.2 R65.2 R74.2 R79.2 R97.1 R103.2 R107.2 R120.1 R121.1 R123.1 R125.1 R127.1 R129.1 R131.2 R138.2 SW1.1 SW2.1 SW3.1 SW3.2 SW3.3 SW3.6 TP2.1 TP15.1 TP21.1 TP33.1 TP38.1 TP51.1 TP71.1 TP94.1 U1.4 U2.4 U3.2 U4.4 U5.4 U6.3 U7.4 U8.4 U9.2 U10.2 U11.1 U12.4 U13.4 U14.2 U14.3 U14.4 U15.19 U15.57 U16.3 U17.4 U18.9 U19.19 U19.57 U20.2 U20.3 U20.4 U21.2 U21.3 U21.4 U22.3 U22.4 U23.3 U24.2 U25.3 U26.2 U27.2 U28.2 U29.2 U30.2 U31.2 U32.1 U33.4 U34.5 U34.7 U35.3 U35.4 U35.5 U35.8 U43.2 U44.2 U44.3 U44.4 Y1.2 Y1.4 Y2.2 Y2.4 Y3.2 Y3.4
GND_ISO: C1.1 C8.1 C55.1 C86.1 C123.2 C124.2 D1.3 D3.2 D28.2 D32.2 D40.3 J2.4 J11.4 J17.4 JP6.1 JP7.1 Q7.2 R10.2 TP54.1 U16.2 U17.5 U34.2
VBUS: D37.2 J6.A4 J6.A9 J6.B4 J6.B9 U28.5
VBUS2: D43.2 J1.A4 J1.A9 J1.B4 J1.B9 TP40.1 U27.5
/gate_drive/1CGH: CH1.2 D13.2 R84.2
/gate_drive/1CGL: C12.2 CL1.2 D12.2 R83.2 R85.2
/gate_drive/1GAH: AH1.2 D24.2 R69.2
/gate_drive/1GAL: AL1.2 C82.2 D20.2 R59.2 R73.2
/gate_drive/1GBH: BH1.2 D23.2 R80.2
/gate_drive/1GBL: BL1.2 C16.2 D22.2 R78.2 R81.2
/gate_drive/2AGH: AH2.2 D17.2 R33.2 TP73.1
/gate_drive/2AGL: AL2.2 C17.2 D14.2 R32.2 R36.2 TP81.1
/gate_drive/2BGH: BH2.2 D15.2 R24.2 TP74.1
/gate_drive/2BGL: BL2.2 C25.2 D16.2 R23.2 R25.2 TP77.1
/gate_drive/2CGH: CH2.2 D6.2 R28.2 TP64.1
/gate_drive/2CGL: C9.2 CL2.2 D5.2 R27.2 R29.2 TP66.1
/gate_drive/M1A_N: D42.1 J20.2 R101.2 R116.2 TP4.1 U20.8
/gate_drive/M1A_P: AH1.1 AL1.3 C84.1 C93.2 R92.1 R101.1 R116.1 U7.6 U20.1
/gate_drive/M1B: BH1.1 BL1.3 C71.1 C99.2 D25.1 J20.3 R93.1 TP5.1 U4.6
/gate_drive/M1C_N: D26.1 J20.1 R50.2 R115.2 TP6.1 U14.8
/gate_drive/M1C_P: C85.1 C100.2 CH1.1 CL1.3 R50.1 R94.1 R115.1 U1.6 U14.1
/gate_drive/M2A_N: D18.1 J19.2 R105.2 R113.2 TP8.1 TP84.1 U21.8
/gate_drive/M2A_P: AH2.1 AL2.3 C70.1 C101.2 R87.1 R105.1 R113.1 TP82.1 U8.6 U21.1
/gate_drive/M2B: BH2.1 BL2.3 C13.1 C106.2 D8.1 J19.3 R90.1 TP7.1 TP79.1 U5.6
/gate_drive/M2C_N: D9.1 J19.1 R109.2 R114.2 TP9.1 TP57.1 U44.8
/gate_drive/M2C_P: C65.1 C103.2 CH2.1 CL2.3 R89.1 R109.1 R114.1 TP58.1 U2.6 U44.1
/power_and_cpu//LED_EN: D41.1 R17.2 SW3.7 U6.1 U23.1 U25.1
/power_and_cpu/ADC_AUX1: D44.3 J9.2 TP47.1 U19.38
/power_and_cpu/ADC_AUX2: D36.3 J13.2 TP48.1 U19.39
/power_and_cpu/ADC_CLK: U9.4 U19.4 U26.4
/power_and_cpu/ADC_CS1: U9.6 U19.3
/power_and_cpu/ADC_CS2: U19.5 U26.6
/power_and_cpu/ADC_DATA: U9.5 U19.2 U26.5
/power_and_cpu/AUX1: D30.1 J10.2 TP46.1 U19.8
/power_and_cpu/AUX2: D29.1 J14.2 TP45.1 U19.9
/power_and_cpu/AUX3_CSn: J15.3 TP36.1 U19.32 U31.3
/power_and_cpu/AUX3_RX: J15.2 TP35.1 U19.31 U31.1
/power_and_cpu/AUX3_SCK: J15.4 TP37.1 U19.34 U31.6
/power_and_cpu/BS: R98.1 U33.8
/power_and_cpu/CAN0_N: D1.2 J2.8 J17.8 SW3.5 TP56.1 U17.6
/power_and_cpu/CAN0_P: D1.1 J2.5 J17.5 R9.1 TP60.1 U17.7
/power_and_cpu/CAN1_N: D40.2 J2.3 J11.3 J17.3 TP53.1
/power_and_cpu/CAN1_P: D40.1 J2.2 J11.2 J17.2 TP50.1
/power_and_cpu/CANH0_P_JP: R9.2 SW3.8
/power_and_cpu/DRIVER_ENABLE: Q9.1 R107.1 U19.7
/power_and_cpu/ENC1_CS: C61.2 C88.1 J3.4 R56.2 TP19.1 U15.32 U29.4
/power_and_cpu/ENC1_RX: C62.2 C87.2 J3.3 R58.2 TP18.1 U15.31 U29.3
/power_and_cpu/ENC1_SCK: C60.2 C89.1 J3.5 R54.2 TP20.1 U15.34 U29.6
